# Altium PCB Power Board.PcbDoc (part 1 of 3) (continued)
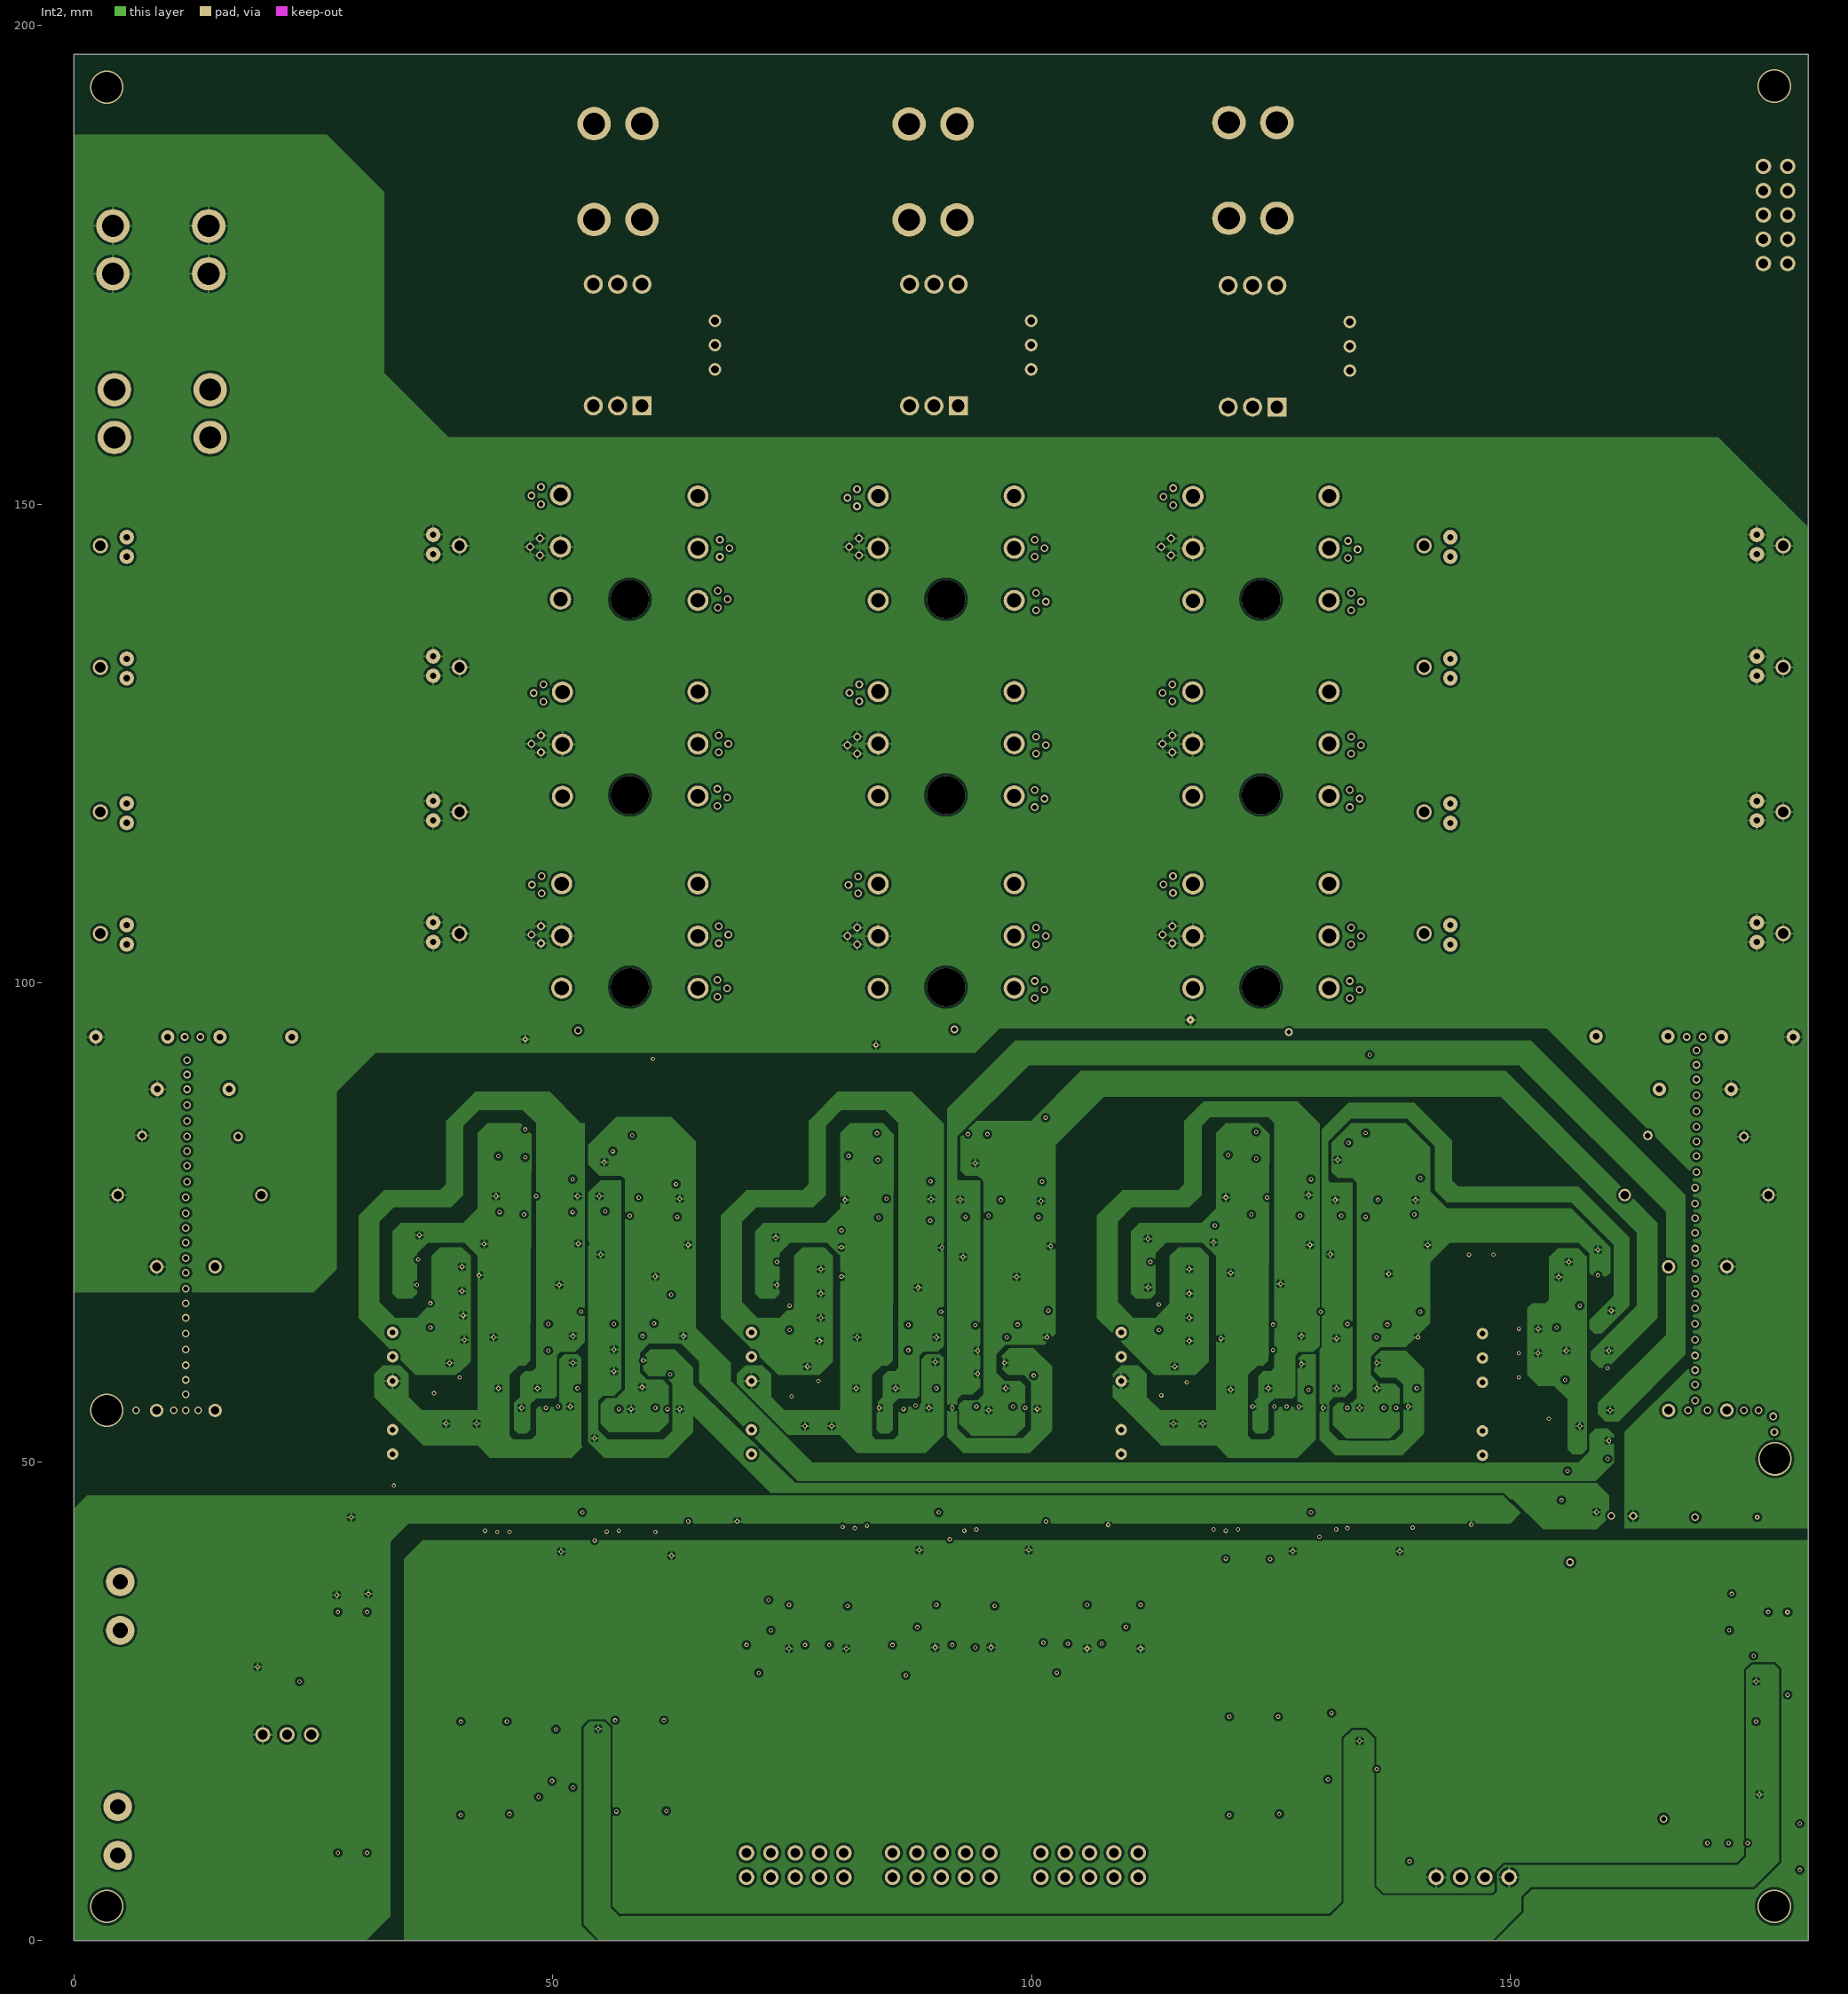
[diagram p3: Int2]

## Layer stack, top to bottom
Top Solder: solder mask 0.0254, SM-001, Dk 4
Top Layer: signal copper 0.035
Dielectric 1: prepreg 0.1295, PP-017, Dk 4.3
Dielectric 2: prepreg 0.1295, PP-017, Dk 4.3
Int1 (GND): signal copper 0.035
Dielectric 3: core 0.7112, Core-039, Dk 4.8
Int2: signal copper 0.035
Dielectric 4: prepreg 0.1295, PP-017, Dk 4.3
Dielectric 5: prepreg 0.1295, PP-017, Dk 4.3
Bottom Layer: signal copper 0.035
Bottom Solder: solder mask 0.0254, SM-001, Dk 4

## Board outline
0,0 181.102,0 181.102,196.977 0,196.977

## Design rules (kind name [scope] priority, off if disabled: settings)
Clearance [All] p1: gap=0.254 ignorepadtopadclearanceinfootprint=TRUE except(0: Arc-Hole Track-Hole SMDPad-Hole THPad-Hole Via-Hole Fill-Hole Poly-Hole Region-Hole Text-Hole)
ComponentClearance [All] p1: gap=0 collisioncheckmode=3 verticalgap=0 showdistances=FALSE
DiffPairsRouting DiffPair_DIFF90DiffPairsRouting [InDifferentialPairClass('DIFF90')] p1: maxlimit=0.254 minlimit=0.254 mostfreqgap=0.254 toplayer_minwidth=0.254 toplayer_maxwidth=0.381 toplayer_prefwidth=0.254 midlayer1_minwidth=0.254 midlayer1_maxwidth=0.381 midlayer1_prefwidth=0.381 midlayer2_minwidth=0.254 midlayer2_maxwidth=0.381 midlayer2_prefwidth=0.381 bottomlayer_minwidth=0.254 bottomlayer_maxwidth=0.381 bottomlayer_prefwidth=0.254 maxuncoupledlength=12.7
DiffPairsRouting [All] p2: maxlimit=0.254 minlimit=0.254 mostfreqgap=0.254 toplayer_minwidth=0.254 toplayer_maxwidth=0.381 toplayer_prefwidth=0.254 midlayer1_minwidth=0.381 midlayer1_maxwidth=0.381 midlayer1_prefwidth=0.381 midlayer2_minwidth=0.381 midlayer2_maxwidth=0.381 midlayer2_prefwidth=0.381 bottomlayer_minwidth=0.254 bottomlayer_maxwidth=0.381 bottomlayer_prefwidth=0.254 maxuncoupledlength=12.7
HoleSize [All] p1: absolutevalues=TRUE maxlimit=20 minlimit=0.025 maxpercent=80.000 minpercent=20.000
MatchedLengths DiffPair_DIFF90MatchedLengths [InDifferentialPairClass('DIFF90')] p1: tolerance=25.4 checknetsindiffpair=FALSE checkdiffpairvsdiffpair=TRUE checkxsignals=TRUE checkothers=TRUE
MinimumSolderMaskSliver [All] p1: minsoldermaskwidth=0
NetAntennae [All] p1: netantennaetolerance=0.508
PolygonConnect [All] p1: connectstyle=Relief reliefconductorwidth=0.254 reliefentries=4 polygonreliefangle="90 Angle" airgapwidth=0.254
RoutingVias [All] p1: holewidth=0.25 width=0.45 viastyle="Through Hole" minholewidth=0.2 minwidth=0.4 maxholewidth=20 maxwidth=20
SilkToSilkClearance [All] p1: silktosilkclearance=0
SilkToSolderMaskClearance [IsPad] p1: minsilkscreentomaskgap=0 clearancetoexposedcopper=TRUE
SolderMaskExpansion [All] p1: expansion=0.102 istentingtop=FALSE
Width [All] p1: maxlimit=2.54 minlimit=0.254 preferedwidth=0.254 toplayer_prefwidth=0.889 minimp=50.000000 maximp=50.000000 favimp=50.000000
23 further rules are at their usual default settings.

## Classes and differential pairs
differential pair class DIFF90: AHS_PWM ALS_PWM BHS_PWM BLS_PWM CHS_PWM CLS_PWM
component class "Gate Drives": C54 C55 C56 C57 C58 C59 C60 C61 C62 C63 C64 C65 C66 C67 C68 C69 C70 C71 C72 C73 C74 C75 C76 C77 C78 C79 C80 C81 C82 C83 C84 C85 C86 C87 C88 C89 C90 C91 C92 C93 C94 C95 C96 C97 C98 C99 C100 C101 C102 C103 C104 C105 C106 C107 C108 C109 C110 C111 C112 C113 C114 C115 C116 C117 C118 C119 C120 C121 C122 D2 D3 D4 D5 D6 D7 D8 D9 D10 D11 D12 D13 D14 D15 D16 D17 D18 D19 D20 D21 D22 D23 D24 D25 IC6 IC7 IC8 IC10 IC11 IC12 IC13 IC14 IC15 J7 J8 J9 Q1 Q2 Q3 Q4 Q5 Q6 Q7 Q8 Q9 Q10 Q11 Q12 Q13 Q14 Q15 Q16 Q17 Q18 Q19 Q20 Q21 Q22 Q23 Q24 Q25 Q26 Q27 Q28 Q29 Q30 R54 R55 R56 R57 R58 R59 R60 R61 R62 R63 R64 R65 R66 R67 R68 R69 R70 R71 R72 R73 R74 R75 R76 R77 R78 R79 R80 R81 R82 R83 R86 R87 R88 R90 R91 R92 R93 R94 R95 R96 R97 R98 R99 R100 R101 R102 R103 R104
component class "DCDC CONV": C123 C124 C125 C126 C127 C128 C129 C130 C131 C132 C133 C134 C135 C136 C137 C138 C139 C140 C141 C142 C143 C144 C145 C146 C147 C148 C149 C150 C151 C152 D26 D27 D28 D29 IC1 IC2 IC3 IC4 J13 L14 R105 R106 R107 R108 R109 R110 R111 R112 R113 R114 R115 R116 R117 R118 R119 R120 R121 R122 R123 R124 R125 R126 R127 R128 R129 R130 R131 R132 R133 R134 R135 R136 R137 R138
component class Circuit: C1 C2 C3 C4 C5 C6 C7 C8 C9 C10 C11 C12 C13 C14 C15 C16 C17 C18 C19 C20 C21 C22 C23 C24 C25 C26 C27 C28 C29 C30 C31 C32 C33 C34 C35 C36 C37 C38 C39 C40 C41 C42 C43 C44 C45 C46 C47 C48 C49 C50 C51 C52 C53 C153 D1 D31 D32 IC5 J1 J2 J3 J4 J5 J6 J10 J11 L1 L2 L3 L4 L5 L6 L7 L8 L9 L10 L11 L12 L13 PS1 R1 R2 R3 R4 R5 R6 R7 R8 R9 R10 R11 R12 R13 R14 R15 R16 R17 R18 R19 R20 R22 R23 R24 R25 R26 R27 R28 R29 R30 R31 R32 R33 R34 R35 R36 R37 R38 R39 R40 R41 R42 R43 R44 R45 R46 R47 R48 R49 R50 R51 R52 R53 R84 U1 U2 U3 U4 U5 U6 U7 U8 U9
differential pair CLS_PWM: +CLS_PWM_P -CLS_PWM_N
differential pair CHS_PWM: +CHS_PWM_P -CHS_PWM_N
differential pair C-FAULT: +C-FAULT_P -C-FAULT_N
differential pair BLS_PWM: +BLS_PWM_P -BLS_PWM_N
differential pair BHS_PWM: +BHS_PWM_P -BHS_PWM_N
differential pair B-FAULT: +B-FAULT_P -B-FAULT_N
differential pair ALS_PWM: +ALS_PWM_P -ALS_PWM_N
differential pair AHS_PWM: +AHS_PWM_P -AHS_PWM_N
differential pair A-FAULT: +A-FAULT_P -A-FAULT_N

## Components (designator, comment, footprint, x,y, rotation, side; value= is the part's Value field where it differs from the comment)
C1 "2.2uF" "CAP 0805" 52.429,22.099 r0 top
C2 "6.8n" "6.8nF 1600VDC" 172.593,62.872 r270 top
C3 "330p" "330p 1000VDC" 175.768,94.361 r180 top
C4 "330p" "330p 1000VDC" 6.029,94.361 r0 top
C5 "6.8n" "6.8nF 1600VDC" 8.636,62.858 r270 top
C6 "56pF" "CAP 0805" 45.466,20.701 r90 top
C7 "56pF" "CAP 0805" 40.386,20.574 r90 top
C8 "56pF" "CAP 0805" 45.466,15.367 r270 top
C9 "56pF" "CAP 0805" 40.387,15.389 r270 top
C10 "56pF" "CAP 0805" 56.642,15.621 r270 top
C11 "56pF" "CAP 0805" 61.85,15.648 r270 top
C12 "56pF" "CAP 0805" 61.721,20.801 r90 top
C13 "56pF" "CAP 0805" 56.641,20.679 r90 top
C14 "20u 800VDC" "20u 800VDC v3" 21.763,111.39 r180 top
C15 "20u 800VDC" "20u 800VDC v3" 21.763,139.192 r180 top
C16 "20u 800VDC" "20u 800VDC v3" 159.974,139.192 r180 top
C17 "20u 800VDC" "20u 800VDC v3" 159.974,111.379 r180 top
C18 "0.1u" "0.1uF 630VDC" 176.925,77.851 r180 top
C19 "0.1u" "0.1uF 630VDC" 4.572,77.851 r0 top
C20 "1nF" "1nF 100VDC" 174.371,83.947 r180 top
C21 "1nF" "1nF 100VDC" 7.112,84.074 r0 top
C22 "330p" "330p 1000VDC" 169.291,88.9 r180 top
C23 "330p" "330p 1000VDC" 12.446,88.9 r0 top
C24 "6.8n" "6.8nF 1600VDC" 166.497,62.858 r90 top
C25 "330p" "330p 1000VDC" 162.687,94.424 r180 top
C26 "330p" "330p 1000VDC" 18.99,94.361 r0 top
C27 "6.8n" "6.8nF 1600VDC" 14.732,62.858 r90 top
C28 "2.2uF" "CAP 0805" 132.18,22.099 r0 top
C29 "56pF" "CAP 0805" 125.73,20.701 r90 top
C30 "56pF" "CAP 0805" 120.65,20.701 r90 top
C31 "56pF" "CAP 0805" 120.778,15.389 r270 top
C32 "56pF" "CAP 0805" 125.858,15.389 r270 top
C33 "0.1uF" "CAP 0805" 177.927,27.178 r180 top
C34 "4700pF" "CAP 0805" 171.705,35.206 r270 top
C35 "4.7u 25V" EEE-HC1E470XP 11.684,9.97 r0 top
C36 "0.27uF" "CAP 0805" 177.954,29.717 r180 top
C37 "4700pF" "CAP 0805" 171.45,23.876 r90 top
C38 "10u" "CAP 0805" 32.004,10.16 r270 top
C39 "0.1u 100V" "CAP 0805" 29.211,10.187 r270 top
C40 "10u" "CAP 0805" 26.692,27.05 r180 top
C41 "0.1uF" "CAP 0805" 180.213,14.224 r270 top
C42 "56pF" "CAP 0805" 93.845,20.795 r180 top
C43 "56pF" "CAP 0805" 78.767,18.287 r180 top
C44 "2.2uF" "CAP 0805" 96.103,32.707 r90 top
C45 "56pF" "CAP 0805" 109.728,18.542 r180 top
C46 "2.2uF" "CAP 0805" 80.771,32.612 r90 top
C47 "2.2uF" "CAP 0805" 111.379,32.893 r90 top
C48 "2.2uF" "CAP 0805" 90.007,32.707 r90 top
C49 "2.2uF" "CAP 0805" 74.675,32.739 r90 top
C50 "2.2uF" "CAP 0805" 105.79,32.871 r90 top
C51 "56pF" "CAP 0805" 88.13,18.255 r180 top
C52 "56pF" "CAP 0805" 72.517,20.955 r180 top
C53 "56pF" "CAP 0805" 103.781,18.414 r180 top
C54 "220p 50V" CAP0805 50.441,65.659 r180 top
C55 "220p 50V" CAP0805 87.917,65.617 r180 top
C56 "220p 50V" CAP0805 126.111,65.659 r180 top
C57 "10u25V" CAP0805 50.419,62.992 r180 top
C58 "0.1u 50V" CAP0805 52.07,73.66 r90 top
C59 "10u25V" CAP0805 87.895,62.95 r180 top
C60 "0.1u 50V" CAP0805 89.165,73.237 r90 top
C61 "10u25V" CAP0805 126.111,62.992 r180 top
C62 "0.1u 50V" CAP0805 128.016,73.66 r90 top
C63 "0.1u 50V" CAP0805 46.355,57.658 r0 top
C64 "0.1u 50V" CAP0805 83.671,57.658 r0 top
C65 "0.1u 50V" CAP0805 122.682,57.658 r0 top
C66 "0.1u 50V" CAP0805 50.419,57.658 r0 top
C67 "1u 50V" CAP0805 50.314,77.724 r180 top
C68 "0.1u 50V" CAP0805 87.884,57.658 r0 top
C69 "1u 50V" CAP0805 87.133,77.428 r180 top
C70 "0.1u 50V" CAP0805 126.746,57.658 r0 top
C71 "1u 50V" CAP0805 126.619,77.597 r180 top
C72 "0.1u 50V" CAP0805 51.816,41.91 r0 top
C73 "0.1u 50V" CAP0805 50.397,60.325 r0 top
C74 "1u 50V" CAP0805 46.228,77.724 r180 top
C75 "0.1u 50V" CAP0805 100.584,41.91 r0 top
C76 "0.1u 50V" CAP0805 128.016,41.91 r0 top
C77 "0.1u 50V" CAP0805 87.884,60.325 r0 top
C78 "1u 50V" CAP0805 82.826,77.47 r180 top
C79 "0.1u 50V" CAP0805 126.089,60.325 r0 top
C80 "1u 50V" CAP0805 122.555,77.597 r180 top
C81 "10u25V" CAP0805 46.25,62.992 r180 top
C82 "0.1u 50V" CAP0805 44.45,73.66 r270 top
C83 "10u25V" CAP0805 83.831,62.95 r180 top
C84 "0.1u 50V" CAP0805 81.418,73.364 r270 top
C85 "10u25V" CAP0805 121.92,62.992 r180 top
C86 "0.1u 50V" CAP0805 120.396,73.787 r270 top
C87 "220p 50V" CAP0805 61.468,65.786 r180 top
C88 "220p 50V" CAP0805 99.463,65.659 r180 top
C89 "220p 50V" CAP0805 138.049,65.659 r180 top
C90 "10u25V" CAP0805 61.49,63.119 r180 top
C91 "0.1u 50V" CAP0805 63.034,73.649 r90 top
C92 "10u25V" CAP0805 99.441,62.992 r180 top
C93 "0.1u 50V" CAP0805 100.711,73.406 r90 top
C94 "10u25V" CAP0805 138.049,62.992 r180 top
C95 "0.1u 50V" CAP0805 139.954,73.533 r90 top
C96 "0.1u 50V" CAP0805 57.277,57.785 r0 top
C97 "0.1u 50V" CAP0805 95.25,57.658 r0 top
C98 "0.1u 50V" CAP0805 133.985,57.658 r0 top
C99 "0.1u 50V" CAP0805 61.341,57.785 r0 top
C100 "1u 50V" CAP0805 61.214,77.47 r180 top
C101 "0.1u 50V" CAP0805 99.314,57.658 r0 top
C102 "1u 50V" CAP0805 98.828,77.343 r180 top
C103 "0.1u 50V" CAP0805 138.049,57.658 r0 top
C104 "1u 50V" CAP0805 138.049,77.47 r180 top
C105 "0.1u 50V" CAP0805 63.224,41.91 r0 top
C106 "0.1u 50V" CAP0805 61.341,60.452 r180 top
C107 "1u 50V" CAP0805 56.938,77.586 r180 top
C108 "0.1u 50V" CAP0805 89.154,41.91 r0 top
C109 "0.1u 50V" CAP0805 139.319,41.91 r0 top
C110 "0.1u 50V" CAP0805 99.314,60.325 r180 top
C111 "1u 50V" CAP0805 94.742,77.343 r180 top
C112 "0.1u 50V" CAP0805 138.049,60.325 r180 top
C113 "1u 50V" CAP0805 133.985,77.47 r180 top
C114 "10u25V" CAP0805 57.277,63.119 r180 top
C115 "0.1u 50V" CAP0805 55.414,73.776 r270 top
C116 "10u25V" CAP0805 95.377,62.992 r180 top
C117 "0.1u 50V" CAP0805 93.091,73.533 r270 top
C118 "10u25V" CAP0805 133.985,62.992 r180 top
C119 "0.1u 50V" CAP0805 132.334,73.555 r270 top
C120 "0.1u 50V" CAP0805 70.866,165.227 r90 top
C121 "0.1u 50V" CAP0805 136.906,164.973 r90 top
C122 "0.1u 50V" CAP0805 103.759,165.1 r90 top
C123 "4.7u" "CAP 0805" 37.592,59.309 r270 top
C124 "1u" "CAP 0805" 33.279,71.12 r180 top
C125 "4.7u" "CAP 0805" 33.379,73.661 r0 top
C126 "1u" "CAP 0805" 34.305,45.353 r180 top
C127 "4.7u" "CAP 0805" 34.228,42.813 r180 top
C128 "1u" "CAP 0805" 33.357,68.455 r0 top
C129 "4.7u" "CAP 0805" 37.593,54.891 r270 top
C130 "4.7u" "CAP 0805" 74.931,58.955 r270 top
C131 "1u" "CAP 0805" 70.993,70.866 r180 top
C132 "4.7u" "CAP 0805" 71.098,73.407 r0 top
C133 "1u" "CAP 0805" 74.802,49.503 r90 top
C134 "4.7u" "CAP 0805" 77.342,49.508 r90 top
C135 "1u" "CAP 0805" 71.098,68.327 r0 top
C136 "4.7u" "CAP 0805" 74.931,54.637 r270 top
C137 "4.7u" "CAP 0805" 113.538,59.055 r270 top
C138 "1u" "CAP 0805" 110.009,70.865 r180 top
C139 "4.7u" "CAP 0805" 110.087,73.407 r0 top
C140 "1u" "CAP 0805" 113.411,49.53 r90 top
C141 "4.7u" "CAP 0805" 116.077,49.503 r90 top
C142 "1u" "CAP 0805" 110.109,68.326 r0 top
C143 "4.7u" "CAP 0805" 113.538,54.737 r270 top
C144 "1u" "CAP 0805" 145.669,69.215 r90 top
C145 "4.7u" "CAP 0805" 148.209,69.215 r270 top
C146 "4.7u" "CAP 0805" 150.749,69.215 r270 top
C147 "1u" "CAP 0805" 153.67,50.8 r90 top
C148 "4.7u" "CAP 0805" 151.13,50.8 r90 top
C149 "1u" "CAP 0805" 143.129,69.088 r270 top
C150 "4.7u 25V" EEE-HC1E470XP 12.319,34.861 r0 top
C151 "10u" "CAP 0805" 29.21,35.179 r270 top
C152 "0.1u 100V" "CAP 0805" 32.259,35.206 r270 top
C153 "10u" "CAP 0805" 20.425,27.052 r0 top
D1 "LED 0805" "LED 0805" 147.32,10.922 r90 top
D2 "BZT52C2V4-7-F" BZT52C2V4-7-F 50.038,81.915 r90 top
D3 "ES2J-E3/52T" ES2J-E3/52T 47.117,89.725 r270 top
D4 "BZT52C2V4-7-F" BZT52C2V4-7-F 86.804,81.619 r90 top
D5 "ES2J-E3/52T" ES2J-E3/52T 83.82,89.725 r270 top
D6 "BZT52C2V4-7-F" BZT52C2V4-7-F 126.365,81.764 r90 top
D7 "ES2J-E3/52T" ES2J-E3/52T 122.174,89.852 r270 top
D8 "BAT54WS_R1_00001" BAT54WS_R1_00001 47.117,82.042 r90 top
D9 "BAT54WS_R1_00001" BAT54WS_R1_00001 83.883,81.746 r90 top
D10 "BAT54WS_R1_00001" BAT54WS_R1_00001 123.444,81.915 r90 top
D11 "B5819W" BZT52C2V4-7-F 44.196,82.042 r90 top
D12 "B5819W" BZT52C2V4-7-F 80.835,81.746 r90 top
D13 "B5819W" BZT52C2V4-7-F 120.523,81.915 r90 top
D14 "BZT52C2V4-7-F" BZT52C2V4-7-F 61.214,81.661 r90 top
D15 "ES2J-E3/52T" ES2J-E3/52T 59.055,87.63 r0 top
D16 "BZT52C2V4-7-F" BZT52C2V4-7-F 98.298,81.534 r90 top
D17 "ES2J-E3/52T" ES2J-E3/52T 96.901,87.63 r0 top
D18 "BZT52C2V4-7-F" BZT52C2V4-7-F 137.795,81.637 r90 top
D19 "ES2J-E3/52T" ES2J-E3/52T 135.763,87.757 r0 top
D20 "BAT54WS_R1_00001" BAT54WS_R1_00001 58.293,81.661 r90 top
D21 "BAT54WS_R1_00001" BAT54WS_R1_00001 95.377,81.661 r90 top
D22 "BAT54WS_R1_00001" BAT54WS_R1_00001 134.874,81.661 r90 top
D23 "B5819W" BZT52C2V4-7-F 55.372,81.788 r90 top
D24 "B5819W" BZT52C2V4-7-F 92.456,81.534 r90 top
D25 "B5819W" BZT52C2V4-7-F 131.953,81.712 r90 top
D26 "MMSZ2V7-HT" SOD123 40.259,55.753 r270 top
D27 "MMSZ2V7-HT" SOD123 77.597,55.321 r270 top
D28 "MMSZ2V7-HT" SOD123 116.205,55.575 r270 top
D29 "MMSZ2V7-HT" SOD123 151.384,56.007 r270 top
D31 "LED 0805" "LED 0805" 139.446,10.922 r90 top
D32 "LED 0805" "LED 0805" 24.604,29.845 r180 top
IC1 "IH0509S" IH0509S 33.274,57.15 r90 top
IC2 "IH0509S" IH0509S 70.739,57.15 r90 top
IC3 "IH0509S" IH0509S 109.347,57.15 r90 top
IC4 "IH0509S" IH0509S 147.066,57.023 r90 top
IC5 "AD8615AUJZ" AD8615AUJZ 172.898,29.464 r270 top
IC6 "1ED020I12-F2" SOIC127P1028X264-16N 123.444,49.403 r270 top
IC7 "1ED020I12-F2" SOIC127P1028X264-16N 47.371,49.403 r270 top
IC8 "1ED020I12-F2" SOIC127P1028X264-16N 84.709,49.412 r270 top
IC10 "1ED020I12-F2" SOIC127P1028X264-16N 58.801,49.403 r270 top
IC11 "1ED020I12-F2" SOIC127P1028X264-16N 96.139,49.394 r270 top
IC12 "LES25" LTS25 90.816,166.624 r180 top
IC13 "LES25" LTS25 124.09,166.497 r180 top
IC14 "LES25" LTS25 57.796,166.624 r180 top
IC15 "1ED020I12-F2" SOIC127P1028X264-16N 134.874,49.403 r270 top
J1 "2ROW10POS" 2ROW10POS 75.311,7.874 r270 top
J2 "2ROW10POS" 2ROW10POS 90.551,7.874 r270 top
J3 "2ROW10POS" 2ROW10POS 106.045,7.874 r270 top
J4 "4POS1ROW" 4POS1ROW 146.05,6.477 r0 top
J5 "2ROW10POS" 2ROW10POS 177.673,180.213 r0 top
J6 "2 POS CONN" "2POS CONN" 4.572,13.97 r270 top
J7 "Barrier" Barrier 54.309,189.738 r0 top
J8 "Barrier" Barrier 120.603,189.865 r0 top
J9 "Barrier" Barrier 87.202,189.705 r0 top
J10 "Barrier" Barrier 4.064,174.07 r90 top
J11 "Barrier" Barrier 4.224,156.972 r90 top
J13 "2 POS CONN" "2POS CONN" 4.826,37.465 r270 top
L1 "ACM7060-701-2PL-TL01" ACM7060-701-2PL-TL01 22.173,10.184 r0 top
L2 "1uH" "IND 0805" 95.088,14.7 r270 top
L3 "1uH" "IND 0805" 80.01,14.637 r270 top
L4 "1uH" "IND 0805" 110.871,14.732 r270 top
L5 "1uH" "IND 0805" 92.802,14.732 r270 top
L6 "1uH" "IND 0805" 77.724,14.605 r270 top
L7 "1uH" "IND 0805" 108.585,14.732 r270 top
L8 "1uH" "IND 0805" 89.373,14.573 r270 top
L9 "1uH" "IND 0805" 73.787,14.827 r270 top
L10 "1uH" "IND 0805" 105.029,14.732 r270 top
L11 "1uH" "IND 0805" 86.995,14.605 r270 top
L12 "1uH" "IND 0805" 71.501,14.764 r270 top
L13 "1uH" "IND 0805" 102.743,14.732 r270 top
L14 "ACM7060-701-2PL-TL01" ACM7060-701-2PL-TL01 22.225,35.179 r0 top
PS1 "R-78E5.0-1.0" R78E5010 24.79,21.488 r180 top
Q1 "ZXTN25020CFHTA" SOT23 52.64,68.669 r90 top
Q2 "ZXTN25020CFHTA" SOT23 90.105,68.389 r90 top
Q3 "ZXTN25020CFHTA" SOT23 128.524,68.631 r90 top
Q4 "ZXTP25020CFHTA" SOT23 45.72,68.58 r90 top
Q5 "ZXTP25020CFHTA" SOT23 83.247,68.339 r90 top
Q6 "ZXTP25020CFHTA" SOT23 121.666,68.758 r90 top
Q7 "ZXTN25020CFHTA" SOT23 63.881,68.758 r90 top
Q8 "ZXTN25020CFHTA" SOT23 101.779,68.504 r90 top
Q9 "ZXTN25020CFHTA" SOT23 140.589,68.504 r90 top
Q10 "ZXTP25020CFHTA" SOT23 57.023,68.834 r90 top
Q11 "ZXTP25020CFHTA" SOT23 94.488,68.504 r90 top
Q12 "ZXTP25020CFHTA" SOT23 133.477,68.58 r90 top
Q13 "IXFH42N60P3" IXFH42N60P3_v4 83.972,139.954 r180 top
Q14 "IXFH42N60P3" IXFH42N60P3_v4 83.972,119.532 r180 top
Q15 "IXFH42N60P3" IXFH42N60P3_v4 83.972,99.441 r180 top
Q16 "IXFH42N60P3" IXFH42N60P3_v4 116.84,139.929 r180 top
Q17 "IXFH42N60P3" IXFH42N60P3_v4 116.815,119.507 r180 top
Q18 "IXFH42N60P3" IXFH42N60P3_v4 116.84,99.441 r180 top
Q19 "IXFH42N60P3" IXFH42N60P3_v4 50.8,140.081 r180 top
Q20 "IXFH42N60P3" IXFH42N60P3_v4 51.003,119.482 r180 top
Q21 "IXFH42N60P3" IXFH42N60P3_v4 50.927,99.463 r180 top
Q22 "IXFH42N60P3" IXFH42N60P3_v4 98.171,150.854 r0 top
Q23 "IXFH42N60P3" IXFH42N60P3_v4 98.171,130.429 r0 top
Q24 "IXFH42N60P3" IXFH42N60P3_v4 98.171,110.363 r0 top
Q25 "IXFH42N60P3" IXFH42N60P3_v4 131.064,150.854 r0 top
Q26 "IXFH42N60P3" IXFH42N60P3_v4 131.064,130.429 r0 top
Q27 "IXFH42N60P3" IXFH42N60P3_v4 131.064,110.363 r0 top
Q28 "IXFH42N60P3" IXFH42N60P3_v4 65.151,150.854 r0 top
Q29 "IXFH42N60P3" IXFH42N60P3_v4 65.151,130.407 r0 top
Q30 "IXFH42N60P3" IXFH42N60P3_v4 65.151,110.341 r0 top
R1 "120ohm" "RES 0805 (2012 metric)" 42.926,20.447 r270 top
R2 "120ohm" "RES 0805 (2012 metric)" 37.846,20.447 r270 top
R3 "120ohm" "RES 0805 (2012 metric)" 59.182,20.574 r90 top
R4 "120ohm" "RES 0805 (2012 metric)" 64.262,20.701 r90 top
R5 "120ohm" "RES 0805 (2012 metric)" 42.926,15.494 r90 top
R6 "120ohm" "RES 0805 (2012 metric)" 37.846,15.583 r90 top
R7 "120ohm" "RES 0805 (2012 metric)" 64.391,15.797 r270 top
R8 "120ohm" "RES 0805 (2012 metric)" 59.182,15.748 r270 top
R9 "1M" RESC3116X65N 164.719,45.72 r270 top
R10 "1M" RESC3116X65N 164.719,50.8 r90 top
R11 "1M" RESC3116X65N 167.513,50.844 r90 top
R12 "1M" RESC3116X65N 167.513,45.637 r270 top
R13 "1M" RESC3116X65N 173.99,45.72 r90 top
R14 "1M" RESC3116X65N 173.99,50.717 r270 top
R15 "1M" RESC3116X65N 171.196,50.756 r270 top
R16 "1M" RESC3116X65N 171.196,45.72 r90 top
R17 "120ohm" "RES 0805 (2012 metric)" 123.19,20.739 r270 top
R18 "120ohm" "RES 0805 (2012 metric)" 118.11,20.79 r270 top
R19 "120ohm" "RES 0805 (2012 metric)" 118.237,15.583 r90 top
R20 "120ohm" "RES 0805 (2012 metric)" 123.317,15.621 r90 top
R22 "3.74k" "RES 0805 (2012 metric)" 174.244,35.179 r90 top
R23 "1.24k" "RES 0805 (2012 metric)" 20.193,29.845 r180 top
R24 "249k" 1206RES 163.83,37.465 r180 top
R25 "249k" 1206RES 163.766,34.29 r0 top
R26 "249k" 1206RES 163.766,31.115 r180 top
R27 "249k" 1206RES 163.766,27.94 r0 top
R28 "249k" 1206RES 163.83,24.765 r180 top
R29 "249k" 1206RES 163.766,21.59 r0 top
R30 "4.99k 0.125W" "RES 0805 (2012 metric)" 168.783,32.423 r270 top